# Allegro board T736_DEMO_DBOARD_V0-5-draft.brd (continued)
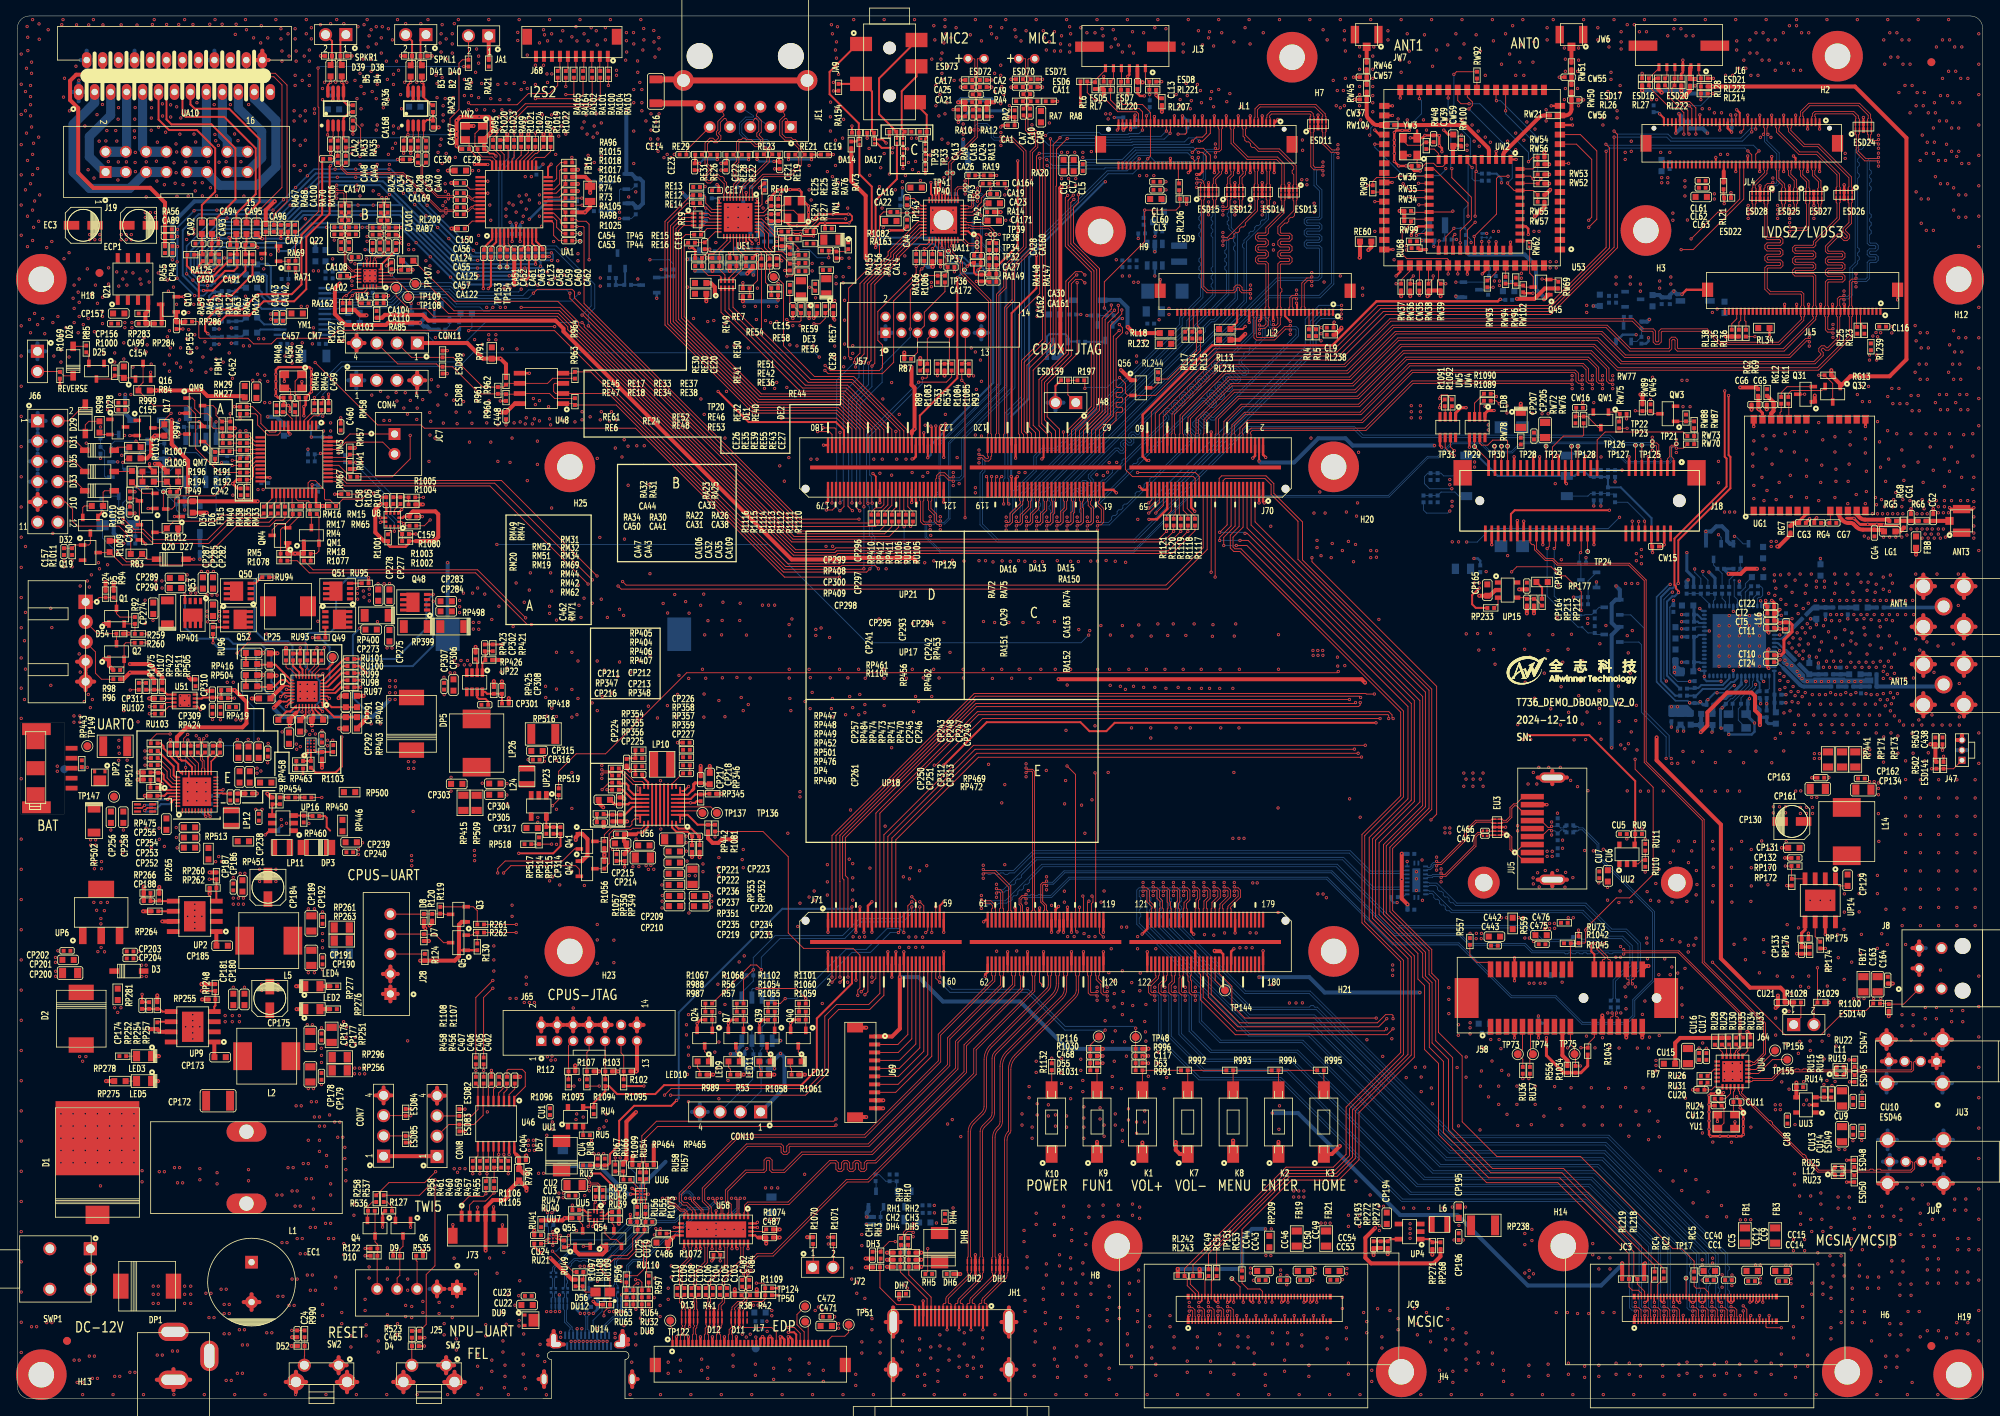
[diagram p0: board, top side]
## Placement (name value [footprint] x y rotation side) (continued)
R962  10K  [R0402]  61.21 127.51 270 top
R963  NC/0R  [R0402]  69.85 124.97 270 top
R964  NC/0R  [R0402]  69.85 128.27 90 top
R965  10M-1%  [R0402]  22.35 121.79 180 bottom
R987  100K  [R0402]  86.61 47.5 0 top
R988  1K  [R0402]  86.61 48.51 0 top
R989  1K  [R0402]  85.92 40.61 0 top
R990  1K  [R0402]  35.98 8.13 270 top
R991  6K8-1%  [R0402]  140.52 41.15 0 top
R992  8K2-1%  [R0402]  146.2 41.15 0 top
R993  10K-1%  [R0402]  151.89 41.15 0 top
R994  11K-1%  [R0402]  157.56 41.15 0 top
R995  13K-1%  [R0402]  163.25 41.15 0 top
R996  51K-1%  [R0402]  140.52 43.85 180 top
R997  10K  [R0603]  18.41 121.41 270 top
R998  47K  [R0603]  10.29 121.79 90 top
R999  10K  [R0402]  13.08 124.84 180 top
R1000  10K  [R0402]  12.19 128.65 90 top
R1001  10K  [R0402]  46.44 107.91 90 top
R1002  NC-10K  [R0402]  48.63 107.49 180 top
R1003  0R  [R0402]  48.63 108.37 180 top
R1004  47K  [R0402]  49.43 112.08 0 top
R1005  0R  [R0402]  49.43 112.97 0 top
R1006  NC-10K  [R0603]  14.73 117.86 0 top
R1007  NC-47K  [R0603]  14.73 119.25 180 top
R1008  NC-10K  [R0402]  10.41 118.87 270 bottom
R1009  NC-10K  [R0603]  11.56 106.81 90 top
R1010  NC-47K  [R0603]  10.03 111.89 0 top
R1011  NC-10K  [R0402]  6.86 106.17 270 top
R1012  NC-10K  [R0603]  19.43 109.09 0 top
R1013  NC-47K  [R0603]  14.35 115.57 90 top
R1015  10K  [R0402]  69.09 154.03 180 top
R1016  10K  [R0402]  69.09 151.36 180 top
R1017  10K  [R0402]  69.09 152.25 180 top
R1018  NC/10K  [R0402]  69.09 153.14 0 top
R1019  10K  [R0402]  65.91 157.33 270 top
R1020  10K  [R0402]  60.48 157.33 270 top
R1021  10K  [R0402]  63.12 157.33 270 top
R1022  10K  [R0402]  66.8 157.33 270 top
R1023  10K  [R0402]  61.37 157.33 270 top
R1024  10K  [R0402]  64.01 157.33 270 top
R1025  NC/0R  [R0402]  69.09 146.91 0 top
R1026  4K7  [R0402]  41.62 136.89 270 top
R1027  4K7  [R0402]  40.76 136.89 270 top
R1028  10K  [R0402]  223.01 49.66 180 top
R1029  100K  [R0402]  225.93 49.66 180 top
R1030  51K-1%  [R0402]  134.83 43.84 180 top
R1031  6K8-1%  [R0402]  134.83 41.15 0 top
R1032  4K7  [R0402]  22.86 106.55 90 bottom
R1034  10K  [R0402]  195.2 41.27 270 top
R1035  0R  [R0402]  195.32 57 0 bottom
R1036  0R  [R0402]  195.32 57.86 0 bottom
R1037  10K  [R0402]  172.52 62.87 0 bottom
R1042  NC/10K  [R0402]  194.18 57.07 180 top
R1043  10K  [R0402]  196.72 43.56 270 top
R1045  10K  [R0402]  195.58 57.53 90 top
R1054  1K  [R0402]  94.46 48.51 0 top
R1055  100K  [R0402]  94.46 47.5 0 top
R1056  4K7  [R0402]  73.53 69.43 270 top
R1057  4K7  [R0402]  73.53 66.85 90 top
R1058  1K  [R0402]  93.58 40.61 0 top
R1059  100K  [R0402]  98.35 47.5 0 top
R1060  1K  [R0402]  98.35 48.51 0 top
R1061  1K  [R0402]  97.41 40.61 0 top
R1062  4K7  [R0402]  26.29 117.73 270 bottom
R1067  0R  [R0402]  86.61 49.53 180 top
R1068  0R  [R0402]  90.55 49.53 180 top
R1069  47K  [R0402]  5.33 128.27 90 top
R1070  10K  [R0402]  99.69 19.81 90 top
R1071  100K  [R0402]  102.23 19.81 270 top
R1072  100K  [R0402]  87.63 18.03 0 top
R1073  100K  [R0402]  80.9 20.7 0 top
R1074  100K  [R0402]  94.23 21.21 180 top
R1075  0R  [R0402]  15.21 89.28 90 top
R1077  NC/0R  [R0402]  36.32 105.03 180 top
R1078  NC/0R  [R0402]  33.4 105.03 0 top
R1079  0R  [R0402]  41.06 117.83 90 bottom
R1080  0R  [R0402]  49.56 109.41 0 top
R1081  NC/0R  [R0402]  87.4 71.51 90 top
R1082  0R  [R0402]  109.8 148.74 0 top
R1083  NC/0R  [R0402]  114 129.29 90 top
R1084  NC/0R  [R0402]  117.04 129.29 90 top
R1085  NC/0R  [R0402]  118.31 129.29 90 top
R1086  NC/0R  [R0402]  116.2 140.34 270 top
R1089  NC/0R  [R0402]  184.15 125.07 180 top
R1090  NC/0R  [R0402]  184.15 125.96 180 top
R1091  NC/0R  [R0402]  178.82 124.82 270 top
R1092  NC/0R  [R0402]  179.71 124.82 270 top
R1093  NC/0R  [R0402]  71.35 39.6 90 top
R1094  NC/0R  [R0402]  73.66 39.6 90 top
R1095  NC/0R  [R0402]  75.95 39.6 90 top
R1096  NC/0R  [R0402]  69.04 39.6 90 top
R1097  NC/0R  [R0402]  70.48 15.88 0 top
R1098  0R  [R0402]  37.21 124.33 90 bottom
R1099  0R  [R0402]  74.9 28.91 270 top
R1100  NC/0R  [R0402]  232.92 49.53 0 top
R1101  0R  [R0402]  98.35 49.53 180 top
R1102  0R  [R0402]  94.46 49.53 180 top
R1103  NC/0R  [R0402]  36.41 75.35 180 top
R1104  NC/0R  [R0402]  35.37 78.98 180 top
R1105  NC/0R  [R0402]  58.7 26.84 90 top
R1106  NC/0R  [R0402]  59.72 26.84 90 top
R1107  NC/0R  [R0402]  58.41 42.33 270 top
R1108  NC/0R  [R0402]  57.43 42.33 270 top
R1109  NC/10K  [R0402]  94.11 13.84 0 top
R1110  NC\0R  [R0402]  112.19 110.36 270 top
R1111  NC\0R  [R0402]  111.3 110.36 270 top
R1112  NC\0R  [R0402]  110.41 110.36 270 top
R1113  NC\0R  [R0402]  109.55 110.36 270 top
R1114  NC\0R  [R0402]  108.69 110.36 270 top
R1115  NC\0R  [R0402]  107.82 110.36 270 top
R1116  NC\0R  [R0402]  106.98 110.36 270 top
R1117  NC\0R  [R0402]  147.52 109.86 270 top
R1118  NC\0R  [R0402]  146.63 109.86 270 top
R1119  NC\0R  [R0402]  145.75 109.86 270 top
R1120  NC\0R  [R0402]  144.86 109.86 270 top
R1121  NC\0R  [R0402]  143.97 109.86 270 top
R1122  0R  [R0402]  174.57 61.29 180 bottom
R1123  0R  [R0402]  174.57 68.28 180 bottom
R1132  1K  [R0402]  129.58 41.61 270 top
RA2  1K  [R0402]  124.93 161.06 90 top
RA4  1.5K  [R0402]  125.55 162.61 180 top
RA5  0R  [R0402]  56.52 167.39 270 top
RA7  1.5K  [R0402]  127.36 162.61 0 top
RA8  1K  [R0402]  129.25 162.61 180 top
RA9  1K  [R0402]  118.74 161.14 90 top
RA10  1.5K  [R0402]  119.2 162.48 180 top
RA11  220K  [R0402]  122.3 151 0 bottom
RA12  1.5K  [R0402]  121.01 162.48 0 top
RA13  1K  [R0402]  121.43 161.14 90 top
RA14  0R  [R0402]  121.92 148.72 180 top
RA15  NC/2K  [R0402]  113.61 143.03 90 bottom
RA16  NC/2K  [R0402]  112.6 143.03 90 bottom
RA17  0R  [R0402]  114.63 143.03 90 top
RA18  NC/0R  [R0402]  114.63 143.03 270 bottom
RA19  NC  [R0402]  121.49 153.31 0 top
RA20  NC  [R0402]  123.27 152.3 0 top
RA21  10K  [R0402]  59.05 167.39 270 top
RA22  1K-1%  [R0402]  44.93 146.79 180 top
RA23  20K-1%  [R0402]  45.52 149.07 90 top
RA24  100K  [R0402]  48.39 157.25 90 top
RA25  20K-1%  [R0402]  46.37 149.07 90 top
RA26  1K-1%  [R0402]  46.96 146.79 180 top
RA27  150K  [R0402]  50.16 157.25 90 top
RA28  150K  [R0402]  51.18 157.25 90 top
RA29  NC/100K-1%  [R0402]  52.07 161.69 90 top
RA30  1K-1%  [R0402]  41.99 146.81 0 top
RA31  20K-1%  [R0402]  41.52 149.1 90 top
RA32  20K-1%  [R0402]  40.6 149.1 90 top
RA33  150K  [R0402]  40.13 157.25 90 top
RA34  1K-1%  [R0402]  40.13 146.81 0 top
RA35  150K  [R0402]  41.15 157.25 90 top
RA36  NC/100K-1%  [R0402]  42.04 161.69 90 top
RA55  4K7  [R0402]  18.5 144.02 270 top
RA56  4K7  [R0402]  18.92 146.56 180 top
RA59  10K-1%  [R0402]  23.24 143 90 top
RA61  10K-1%  [R0402]  24.26 143 90 top
RA63  10K-1%  [R0402]  27.56 143 90 top
RA64  10K-1%  [R0402]  28.57 143 90 top
RA67  NC/220K  [R0402]  31.11 146.69 90 top
RA68  NC/330R  [R0402]  32.13 146.69 270 top
RA69  NC/1K  [R0402]  34.42 142.62 0 top
RA70  NC/100K  [R0402]  33.91 146.69 90 top
RA71  100K  [R0402]  34.42 141.73 180 top
RA72  0R  [R0201]  110.19 157.66 90 top
RA73  0R  [R0201]  107.34 157.58 90 top
RA74  0R  [R0201]  113.74 156.9 90 top
RA75  0R  [R0201]  110.95 157.66 90 top
RA76  0R  [R0201]  105.49 157.53 90 top
RA85  0R  [R0402]  45.01 135.91 90 top
RA86  0R  [R0603]  38.61 143.26 90 bottom
RA87  51K  [R0402]  48.51 141.48 0 top
RA94  1M  [R0402]  104.47 157.15 270 top
RA95  NC/0R  [R0402]  59.59 157.33 270 top
RA96  NC/0R  [R0402]  69.09 154.94 180 top
RA97  NC/0R  [R0402]  64.9 157.33 270 top
RA98  0R  [R0402]  69.09 147.8 180 top
RA99  NC/0R  [R0402]  62.23 157.33 270 top
RA100  0R  [R0402]  72.01 165.99 90 top
RA101  0R  [R0402]  70.87 165.99 90 top
RA102  0R  [R0402]  69.72 165.99 90 top
RA103  0R  [R0402]  74.04 165.99 270 top
RA104  0R  [R0402]  73.03 165.99 270 top
RA105  NC/10K  [R0402]  69.09 148.69 180 top
RA106  0R  [R0402]  34.8 146.69 270 top
RA116  10K-1%  [R0402]  27.43 136.53 90 bottom
RA117  470R  [R0402]  26.04 142.04 0 bottom
RA118  470R  [R0402]  26.04 140.77 0 bottom
RA119  10K-1%  [R0402]  27.43 138.43 90 bottom
RA120  10K-1%  [R0402]  27.43 140.39 90 bottom
RA121  10K-1%  [R0402]  27.43 142.54 270 bottom
RA122  470R  [R0402]  26.04 138.81 0 bottom
RA123  470R  [R0402]  26.04 136.91 0 bottom
RA124  0R  [R0402]  25.27 143 90 top
RA125  0R  [R0402]  21.72 143.38 0 top
RA126  0R  [R0402]  29.46 143 90 top
RA127  0R  [R0402]  26.67 143 90 top
RA132  NC/10K  [R0402]  53.19 133.99 0 bottom
RA135  10K-1%  [R0402]  27.43 132.72 90 bottom
RA136  10K-1%  [R0402]  27.43 134.62 90 bottom
RA137  470R  [R0402]  26.03 135 0 bottom
RA138  470R  [R0402]  26.04 133.1 0 bottom
RA143  100K  [R0402]  55.35 134.49 90 bottom
RA145  220K  [R0402]  51.03 136.4 270 bottom
RA147  1K  [R0402]  122.64 142.51 270 top
RA148  1K  [R0402]  121.75 142.51 270 top
RA149  2K  [R0402]  120.27 142.37 0 top
RA150  NC/100K  [R0201]  113.49 157.91 180 top
RA151  22R  [R0201]  110.95 155.12 90 top
RA152  22R  [R0201]  113.74 154.36 90 top
RA154  0R  [R0402]  102.87 164.36 90 top
RA155  0R  [R0402]  112.6 143.03 90 top
RA156  0R  [R0402]  113.61 143.03 90 top
RA157  NC/0R  [R0402]  33.53 140.34 180 bottom
RA158  0R  [R0603]  37.34 143.26 90 bottom
RA159  0R  [R0603]  218.69 106.05 270 bottom
RA160  0R  [R0402]  38.61 140.84 90 bottom
RA161  0R  [R0603]  119.1 154.23 270 bottom
RA162  0R  [R0603]  35.05 136.02 180 top
RA163  0R  [R0603]  109.42 147.6 0 top
RA164  0R  [R0402]  68.71 165.99 90 top
RA165  0R  [R0402]  67.69 165.99 90 top
RA166  2K  [R0402]  115.29 140.34 90 top
RC2  0R  [R0402]  206.25 15.49 270 top
RC4  0R  [R0402]  205.1 15.49 270 top
RC5  0R  [R0402]  210.06 15.49 270 top
RC49  0R  [R0402]  149.22 15.79 270 top
RC51  0R  [R0402]  150.24 15.79 270 top
RC53  0R  [R0402]  153.42 15.62 270 top
RE1  0R  [R0603]  85.14 150.57 0 bottom
RE2  NC-0R  [R0402]  93.98 145.03 0 bottom
RE3  0R  [R0402]  88.25 143.39 90 bottom
RE4  0R  [R0603]  85.53 143.21 90 bottom
RE5  0R  [R0402]  93.73 152.27 270 bottom
RE6  NC  [R0603]  85.6 138.48 180 top
RE7  0R  [R0402]  96.14 146.28 180 top
RE8  1K5  [R0402]  86.23 148.08 90 bottom
RE9  0R  [RA8P50B100_200H45]  85.22 147.8 0 top
RE10  2K49-1%  [R0402]  93.6 151.89 270 top
RE11  4K7  [R0402]  92.33 144.15 0 bottom
RE12  0R  [R0402]  85.09 150.85 0 top
RE13  NC/4K7  [R0402]  85.09 151.87 0 top
RE14  0R  [R0402]  85.09 149.83 0 top
RE15  0R  [R0402]  85.22 145.9 0 top
RE16  0R  [R0402]  84.45 144.88 0 top
RE17  4K7  [R0402]  87.5 142.98 0 top
RE18  NC-4K7  [R0402]  87.5 141.96 180 top
RE19  NC-49R9-1%  [R0402]  97.03 155.93 180 top
RE20  0R  [R0402]  94.23 142.47 90 top
RE21  NC-49R9-1%  [R0402]  99.06 155.93 0 top
RE22  NC-49R9-1%  [R0402]  93.09 155.96 180 top
RE23  NC-49R9-1%  [R0402]  95 155.96 0 top
RE24  0R  [RA8P50B100_200H45]  88.9 139.67 90 top
RE25  0R  [R0402]  95.33 149.94 270 top
RE26  NC-49R9-1%  [R0402]  89.28 155.93 180 top
RE27  0R  [R0402]  95.33 148.03 90 top
RE28  NC-49R9-1%  [R0402]  91.19 155.93 0 top
RE29  NC-49R9-1%  [R0402]  85.34 155.93 180 top
RE30  0R  [R0402]  93.22 142.47 90 top
RE31  NC-49R9-1%  [R0402]  87.25 155.93 0 top
RE32  NC-0R  [R0402]  96.77 139.17 90 top
RE33  4K7  [R0402]  89.66 142.98 0 top
RE34  NC-4K7  [R0402]  89.66 141.96 180 top
RE35  0R  [R0402]  98.17 136.5 90 top
RE36  510R  [R0402]  98.3 141.33 0 top
RE37  NC-4K7  [R0402]  91.69 142.98 180 top
RE38  4K7  [R0402]  91.69 141.96 0 top
RE39  NC-510R  [R0402]  99.19 136.5 90 top
RE40  0R  [R0402]  99.95 139.29 90 top
RE41  NC-4K7  [R0402]  96.77 141.83 90 top
RE42  4K7  [R0402]  98.3 142.34 0 top
RE43  NC-0R  [R0402]  101.22 136.5 90 top
RE44  NC-510R  [R0402]  101.35 141.45 180 top
RE45  NC-4K7  [R0402]  85.34 142.98 0 top
RE46  4K7  [R0402]  94.87 139.19 180 top
RE47  4K7  [R0402]  85.34 141.96 180 top
RE48  NC-4K7  [R0402]  91.31 138.15 180 top
RE49  4K7  [R0402]  95.76 144.88 90 top
RE50  4K7  [R0402]  96.77 143.87 270 top
RE51  NC-4K7  [R0402]  98.3 143.36 0 top
RE52  4K7  [R0402]  91.31 139.17 0 top
RE53  NC-4K7  [R0402]  94.87 138.3 0 top
RE54  NC-4K7  [R0402]  97.28 145.39 0 top
RE55  510R  [R0402]  100.2 136.5 90 top
RE56  NC-0R  [R0402]  101.22 143.89 180 top
RE57  0R  [R0402]  104.09 144.5 90 top
RE58  510R  [R0402]  99.31 144.78 180 top
RE59  NC-510R  [R0402]  101.6 146.66 0 top
RE60  NC  [R0603]  168.91 145.03 180 top
RE61  0R  [R0603]  85.6 139.83 180 top
RG2  0R  [R0402]  218.06 126.11 270 top
RG4  100K  [R0402]  225.54 109.76 180 top
RG5  0R  [R0402]  234.93 110.02 0 top
RG6  0R  [R0402]  238.62 110.02 0 top
RG7  0R  [R0402]  222.12 108.97 90 top
RG8  0R  [R0402]  236.33 109.59 90 top
RG9  0R  [R0402]  219.2 126.11 270 top
RG11  0R  [R0402]  221.85 125.13 270 top
RG12  0R  [R0402]  220.96 125.13 270 top
RG13  10K  [R0402]  226.82 128.27 0 top
RH1  4K7  [R0402]  110.19 18.3 180 top
RH2  4K7  [R0402]  112.1 18.3 0 top
RH3  1K  [R0402]  108.15 17.98 270 top
RH4  10K  [R0402]  116.2 22.73 270 top
RH5  100R  [R0402]  114.17 15.62 0 top
RH9  100R  [R0402]  110.7 19.7 270 top
RH10  100R  [R0402]  111.59 19.7 270 top
RH20  100K  [R0402]  110.16 27.67 90 bottom
RH21  100K  [R0402]  113.84 23.28 0 bottom
RH22  33R  [R0402]  107.52 27.69 90 bottom
RH23  220K  [R0402]  107.72 21.84 0 bottom
RH25  NC-100K  [R0402]  107.72 22.77 0 bottom
RL3  0R  [R0402]  140.34 164.59 270 bottom
RL4  NC  [R0402]  161.8 133.6 90 top
RL5  NC  [R0402]  162.69 133.6 90 top
RL6  4K7  [R0402]  135.02 164.57 270 top
RL7  4K7  [R0402]  136.52 164.05 180 top
RL8  100K  [R0402]  129.41 130.43 180 bottom
RL9  100K  [R0402]  132.21 135.89 0 bottom
RL10  33R  [R0402]  133.35 132.46 180 bottom
RL11  10K  [R0402]  136.91 135.76 180 bottom
RL12  100K  [R0402]  135 135.76 0 bottom
RL13  0R  [R0603]  151.25 134.06 180 top
RL14  NC/10K  [R0402]  147.19 133.3 90 top
RL15  0R  [R0402]  148.2 133.3 270 top
RL17  NC-10K  [R0402]  146.3 133.3 270 top
RL18  0R  [R0603]  143.84 133.55 0 top
RL21  0R  [R0402]  213.74 152.02 90 top
RL23  NC  [R0402]  231.38 133.9 90 top
RL25  NC  [R0402]  230.49 133.9 90 top
RL26  4K7  [R0402]  203.97 164.61 180 top
RL27  4K7  [R0402]  205.99 164.59 180 top
RL28  0R  [R0402]  209.55 164.97 270 top
RL29  100K  [R0402]  199.39 137.79 270 bottom
RL30  100K  [R0402]  207.01 137.62 90 bottom
RL31  33R  [R0402]  201.68 135.58 0 bottom
RL32  10K  [R0402]  203.45 134.57 270 bottom
RL33  100K  [R0402]  203.45 132.66 90 bottom
RL34  0R  [R0603]  218.8 134.19 180 top
RL35  NC/10K  [R0402]  215.67 133.55 90 top
RL36  0R  [R0402]  216.55 133.54 270 top
RL38  NC-10K  [R0402]  214.78 133.55 270 top
RL39  0R  [R0603]  213.87 136.78 270 bottom
RL40  0R  [R0402]  141.86 162.31 90 bottom
RL206  0R  [R0402]  145.54 151.89 90 top
RL207  0R  [R0402]  143.38 162.56 90 top
RL209  0R  [R0603]  48.9 142.62 180 top
RL214  0R  [R0402]  211.33 163.58 180 top
RL215  0R  [R0402]  209.41 159.63 270 bottom
RL218  4K7  [R0402]  203.37 14.99 0 top
RL219  4K7  [R0402]  201.47 14.99 180 top
RL220  4K7  [R0402]  138.68 164.05 0 top
RL221  4K7  [R0402]  142.24 164.05 0 top
RL222  4K7  [R0402]  208.03 164.59 0 top
RL223  4K7  [R0402]  211.33 164.47 0 top
RL224  NC-0R  [R0402]  140.21 142.24 270 bottom
RL225  NC-4R7-1%  [R0402]  138.43 142.24 270 bottom
RL226  NC-0R  [R0603]  143.64 149.48 270 bottom
RL227  1M  [R0402]  140.84 146.05 0 bottom
RL228  NC-0R  [R0402]  141.1 147.57 270 bottom
RL230  NC-4R7-1%  [R0402]  139.32 142.24 90 bottom
RL231  NC-0R  [R0603]  151.26 132.72 180 top
RL232  NC-0R  [R0603]  143.84 132.21 0 top
RL233  NC/0R  [R0603]  48.62 134.8 0 bottom
RL234  NC/0R  [R0603]  42.16 136.09 180 bottom
RL235  0R  [R0603]  42.16 134.82 180 bottom
RL236  NC/0R  [R0603]  48.62 136.02 0 bottom
RL237  0R  [R0603]  56.24 136.02 180 bottom
RL238  0R  [R0402]  164.47 133.35 0 top
RL239  0R  [R0402]  232.21 131.84 270 top
RL242  4K7  [R0402]  147.7 15.37 0 top
RL243  4K7  [R0402]  145.8 15.37 180 top
RL244  NC/10K  [R0402]  142.9 128.22 270 top
RM4  NC/0R  [R0402]  37.08 110.87 0 top
RM5  10K  [R0402]  33.4 105.92 0 top
RM15  10K  [R0402]  34.92 111.89 0 top
RM16  NC/0R  [R0402]  34.92 110.87 0 top
RM17  10K  [R0402]  37.08 111.89 0 top
RM18  10K  [R0402]  36.32 105.92 180 top
RM19  1K  [R0402]  26.16 118.75 0 top
RM20  100K  [R0402]  24.77 118.24 90 top
RM27  0R  [R0402]  28.32 123.44 0 top
RM29  0R  [R0402]  28.32 124.33 0 top
RM31  0R  [R0402]  28.32 120.65 0 top
RM32  0R  [R0402]  28.32 119.76 0 top
RM33  0R  [R0402]  33.53 111.38 90 top
RM34  0R  [R0402]  28.32 118.87 0 top
RM35  0R  [R0402]  32.64 111.38 90 top
RM38  0R  [R0402]  31.75 111.38 270 top
RM40  0R  [R0402]  30.86 111.38 270 top
RM41  0R  [R0402]  42.14 115.54 180 top
RM42  0R  [R0402]  28.32 116.08 0 top
RM44  0R  [R0402]  28.32 116.97 0 top
RM45  0R  [R0402]  38.1 124.33 270 top
RM46  0R  [R0402]  37.21 124.33 90 top
RM47  100K  [R0402]  26.67 122.05 270 top
RM48  10K  [R0402]  32.46 124.08 90 top
RM49  NC-0R  [R0402]  25.65 122.05 270 top
RM50  0R  [R0402]  34.8 124.08 270 top
RM51  1K  [R0402]  26.16 119.76 0 top
RM52  100K  [R0402]  26.16 120.65 180 top
RM57  4K7  [R0402]  41.66 116.94 90 top
RM58  4K7  [R0402]  41.66 118.75 270 top
RM62  10K  [R0402]  28.32 115.19 180 top
RM63  10K  [R0402]  36.83 118.36 180 bottom
RM65  10K  [R0402]  39.5 111.89 0 top
RM67  10K  [R0402]  41.02 113.37 180 top
RM69  0R  [R0402]  28.32 117.86 0 top
RM70  10K  [R0402]  36.83 117.47 180 bottom
RM71  10K  [R0402]  28.83 113.67 270 top
RP170  270K  [R0402]  222.68 66.76 180 top
RP171  0R  [R0805]  228.6 80.12 90 top
RP172  100K  [R0402]  222.3 64.72 90 top
RP173  0R  [R0805]  230.25 80.12 90 top
RP174  220K-1%  [R0402]  225.85 56.85 90 top
RP175  11K-1%  [R0402]  223.95 57.61 180 top
RP176  51K-1%  [R0402]  224.53 56.19 270 top
RP177  0.01R-1%  [R0603]  191.01 102.36 0 top
RP209  0R  [R0603]  156.84 19.68 270 top
RP212  24K-1%  [R0402]  191.01 99.82 90 top
RP213  47K-1%  [R0402]  189.99 99.82 270 top
RP233  100K  [R0402]  184.58 99.11 0 top
RP238  0R  [R1210]  183.62 21.72 0 top
RP247  0R  [R0805]  39.37 45.59 90 bottom
RP248  270K  [R0402]  24.79 51.54 90 top
RP251  0R  [R0805]  39.37 45.59 90 top
RP252  51K-1%  [R0402]  16.51 49.28 90 top
RP253  NC  [R0805]  40.39 41.15 0 bottom
RP254  9K-1%  [R0402]  17.53 49.28 270 top
RP255  100K  [R0402]  24.38 50.04 180 top
RP256  NC  [R0805]  40.39 41.15 0 top
RP257  220K-1%  [R0402]  17.53 46.74 90 top
RP259  NC/0R  [R0805]  40.39 42.8 0 bottom
RP260  270K  [R0402]  24.94 65.53 270 top
RP261  0R  [R0805]  40.64 59.05 0 top
RP262  100K  [R0402]  24.51 64.01 0 top
RP263  0R  [R0805]  40.64 57.4 0 top
RP264  220K-1%  [R0402]  17.23 61.09 0 top
RP265  6K8-1%  [R0402]  17.78 62.87 270 top
RP266  51K-1%  [R0402]  16.26 63.37 180 top
RP268  100K  [R0402]  178.28 19.18 270 top
RP271  NC  [R0402]  177.27 19.18 270 top
RP272  100K-1%  [R0402]  170.79 19.3 90 top
RP273  100K-1%  [R0402]  171.68 19.3 90 top
RP275  10K  [R0603]  12.85 39.8 180 top
RP276  4K7  [R0402]  39.6 48.82 0 top
RP277  4K7  [R0402]  39.62 51.69 0 top
RP278  1K  [R0402]  13.21 42.93 180 top
RP281  0.01R-1%  [R0603]  12.57 50.67 270 top
RP283  47K  [R0402]  15.62 136.02 180 top
RP284  100R  [R0402]  17.65 134.75 180 top
RP286  10K  [R0402]  21.46 135 0 top
RP296  NC/0R  [R0805]  40.39 42.8 0 top
RP299  0R  [R0805]  40.64 55.75 0 bottom
RP300  0R  [R0805]  40.64 57.4 0 bottom
RP304  0R  [R0805]  94.46 24.31 270 bottom
RP345  100K  [R0402]  87.12 75.82 180 top
RP346  270K  [R0402]  85.6 75.31 270 top
RP347  10R  [R0402]  73.03 73.28 180 top
RP348  NC/1K  [R0402]  74.55 72.77 270 top
RP349  10K  [R0402]  76.07 67.82 90 top
RP350  75K  [R0402]  75.06 67.82 270 top
RP351  0.01R-1%  [R0603]  82.3 64.39 0 top
RP352  0R  [R0402]  85.47 68.96 270 top
RP353  10R  [R0402]  84.52 68.95 270 top
RP354  NC/2R2  [R0402]  77.85 81.28 180 top
RP355  NC/2R2  [R0402]  77.85 80.26 180 top
RP356  0R  [R0402]  77.85 79.25 0 top
RP357  2R2  [R0402]  83.82 80.39 0 top
RP358  2R2  [R0402]  83.82 81.33 0 top
RP359  0R  [R0402]  83.82 79.38 0 top
RP399  0R  [R1206]  49.91 96.77 0 top
RP400  5mR  [R1206]  45.01 98.17 0 top
RP401  5mR  [R1206]  18.8 98.55 270 top
RP402  5.1R  [R0603]  42.55 87.38 90 top
RP403  5.1R  [R0603]  42.55 84.71 270 top
RP404  NC  [R0402]  74.93 78.11 0 top
RP405  NC  [R0402]  74.93 78.99 0 top
RP406  0R  [R0402]  74.93 77.22 0 top
RP407  0R  [R0402]  74.93 76.33 0 top
RP408  16K  [R0603]  29.34 92.08 0 top
RP409  10K  [R0603]  29.34 89.28 0 top
RP410  0R  [R0402]  33.66 92.96 270 top
RP411  20K  [R0402]  35.43 92.96 270 top
RP412  20K  [R0402]  34.54 92.96 270 top
RP415  NC/0R  [R0805]  55.88 74.68 90 top
RP416  470R  [R0402]  25.96 88.81 0 top
RP418  100K  [R0402]  61.14 87.12 0 top
RP419  NC/0R  [R0402]  26.96 86.69 0 top
RP421  320K-1%  [R0402]  59.56 94.11 90 top
RP422  NC/10K  [R0402]  17.14 89.28 90 top
RP423  200K 1%  [R0402]  57.4 93.09 270 top
RP424  200K-1%  [R0402]  25.45 86.27 90 top
RP425  NC/100K  [R0402]  59.69 88.77 270 top
RP426  49.9K-1%  [R0402]  59.05 92.58 180 top
RP441  0R  [R0805]  226.82 80.12 90 top
RP442  10K  [R0402]  86.53 71.51 270 top
RP443  NC/10K  [R0402]  8.08 79.59 270 top
RP444  NC/0.01R  [R0603]  37.15 81.1 0 bottom
RP445  NC/0.01R  [R0603]  37.15 82.37 0 bottom
RP446  0.01R-%  [R0603]  40.73 71.83 270 top
RP447  0R  [R0402]  17.14 82.14 180 top
RP448  0R  [R0402]  17.16 81.18 180 top
RP449  0R  [R0402]  17.16 80.29 180 top
RP450  150K-1%  [R0402]  37.4 73.03 180 top
RP451  NC  [R0603]  28.31 69.86 180 top
RP452  0R  [R0402]  17.16 79.4 180 top
RP453  NC  [R0402]  39.57 81.48 90 top
RP454  0R  [R0402]  32.89 74.93 90 top
RP455  0R  [R0402]  21.07 81.42 90 bottom
RP456  10K  [R0402]  36.77 79.5 90 top
RP457  0R  [R0402]  7.75 78.99 0 bottom
RP458  10K  [R0402]  31.97 74.93 90 top
RP459  NC  [R0402]  32.26 71.12 0 bottom
RP460  20K-1%  [R0402]  35.88 72.64 270 top
RP461  0R  [R0402]  35.37 79.92 180 top
RP462  0R  [R0402]  38.16 80.63 90 top
RP463  0R  [R0402]  34.38 75.35 0 top
RP464  NC/10K  [R0402]  77.47 29.29 0 top
RP465  NC/10K  [R0402]  79.3 29.29 180 top
RP469  NC/0.01R-%  [R0603]  31.11 77.22 180 top
RP470  NC/470R  [R0402]  23.5 81.41 270 top
RP471  NC/470R  [R0402]  22.61 81.41 270 top
RP472  NC/0R  [R0402]  28.98 75.84 0 top
RP473  0R  [R0402]  21.72 81.41 270 top
RP474  0R  [R0402]  20.83 81.41 270 top
RP475  0.01R-1%-0805  [RA6P45B125_200H60]  16 74.04 180 top
RP476  2K  [R0402]  16.26 77.6 0 top
RP484  NC/0R  [R0402]  19.99 81.41 270 top
RP490  0R  [R0402]  17.11 75.56 0 top
RP491  0R  [R0402]  23.06 74.12 90 bottom